# Altium PCB BMD-300-Eval.PcbDoc (part 1 of 3)
Units mm, origin at the board's own origin, x right, y up, seen from the top; angles counter-clockwise.
Board outline 87.63 x 55.88 mm, 4 copper layers (Top, Layer 2, Layer 3, Bottom), stack 1.58 mm thick; 189 components, 108 nets, 599 pads, 464 vias.
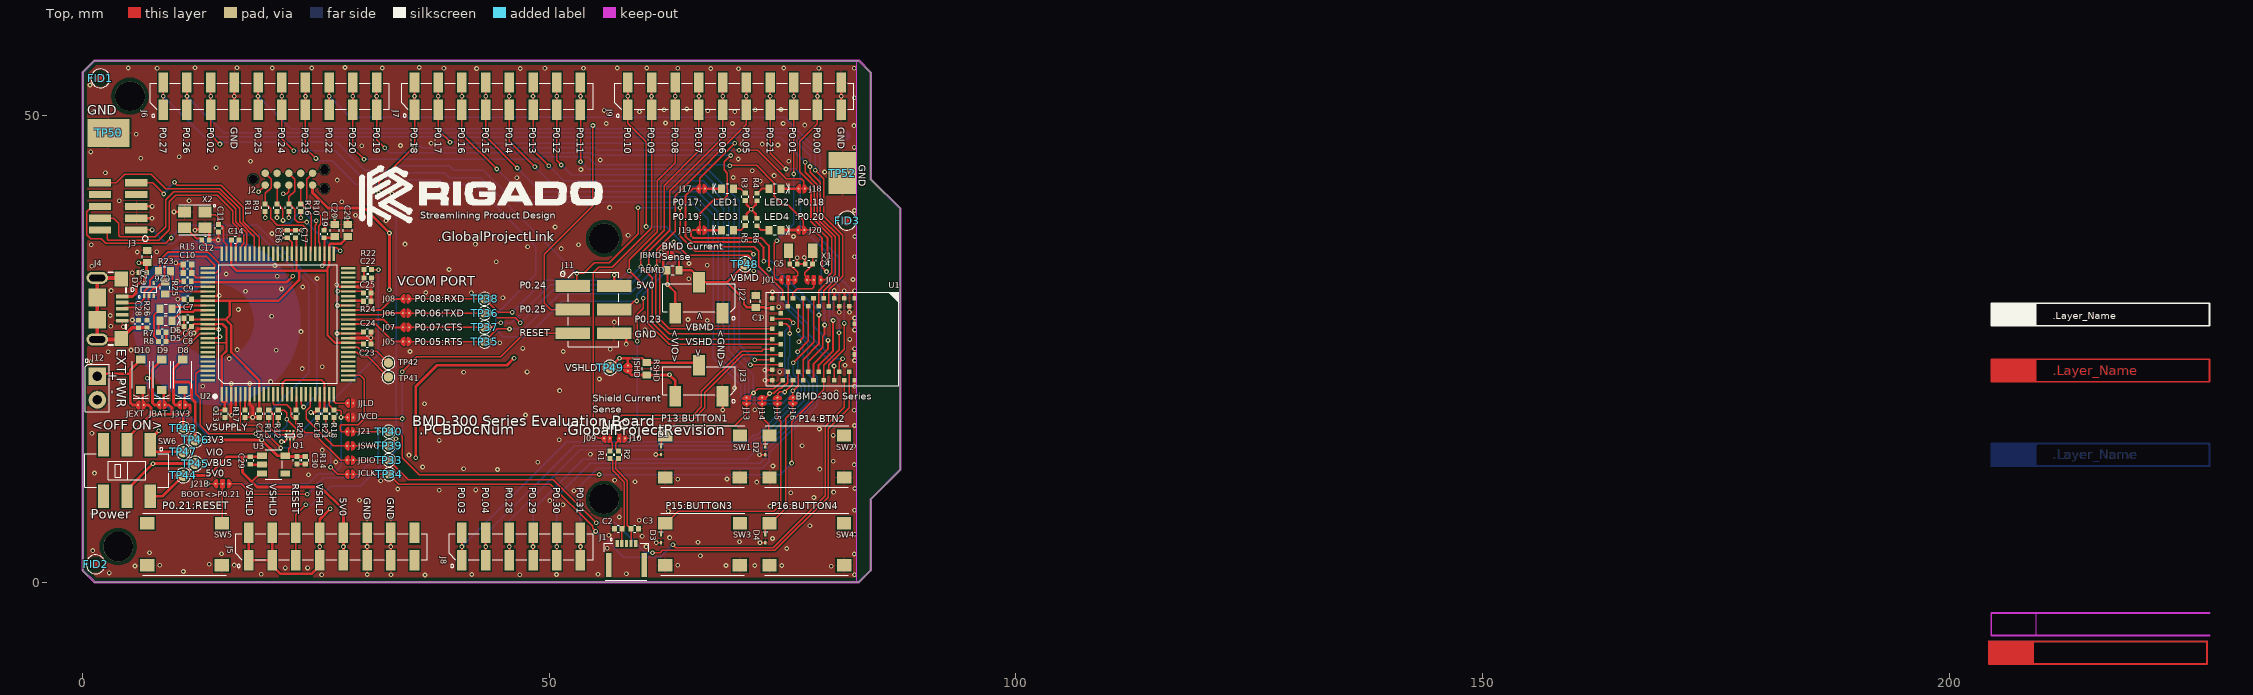
[diagram p0: Top view]
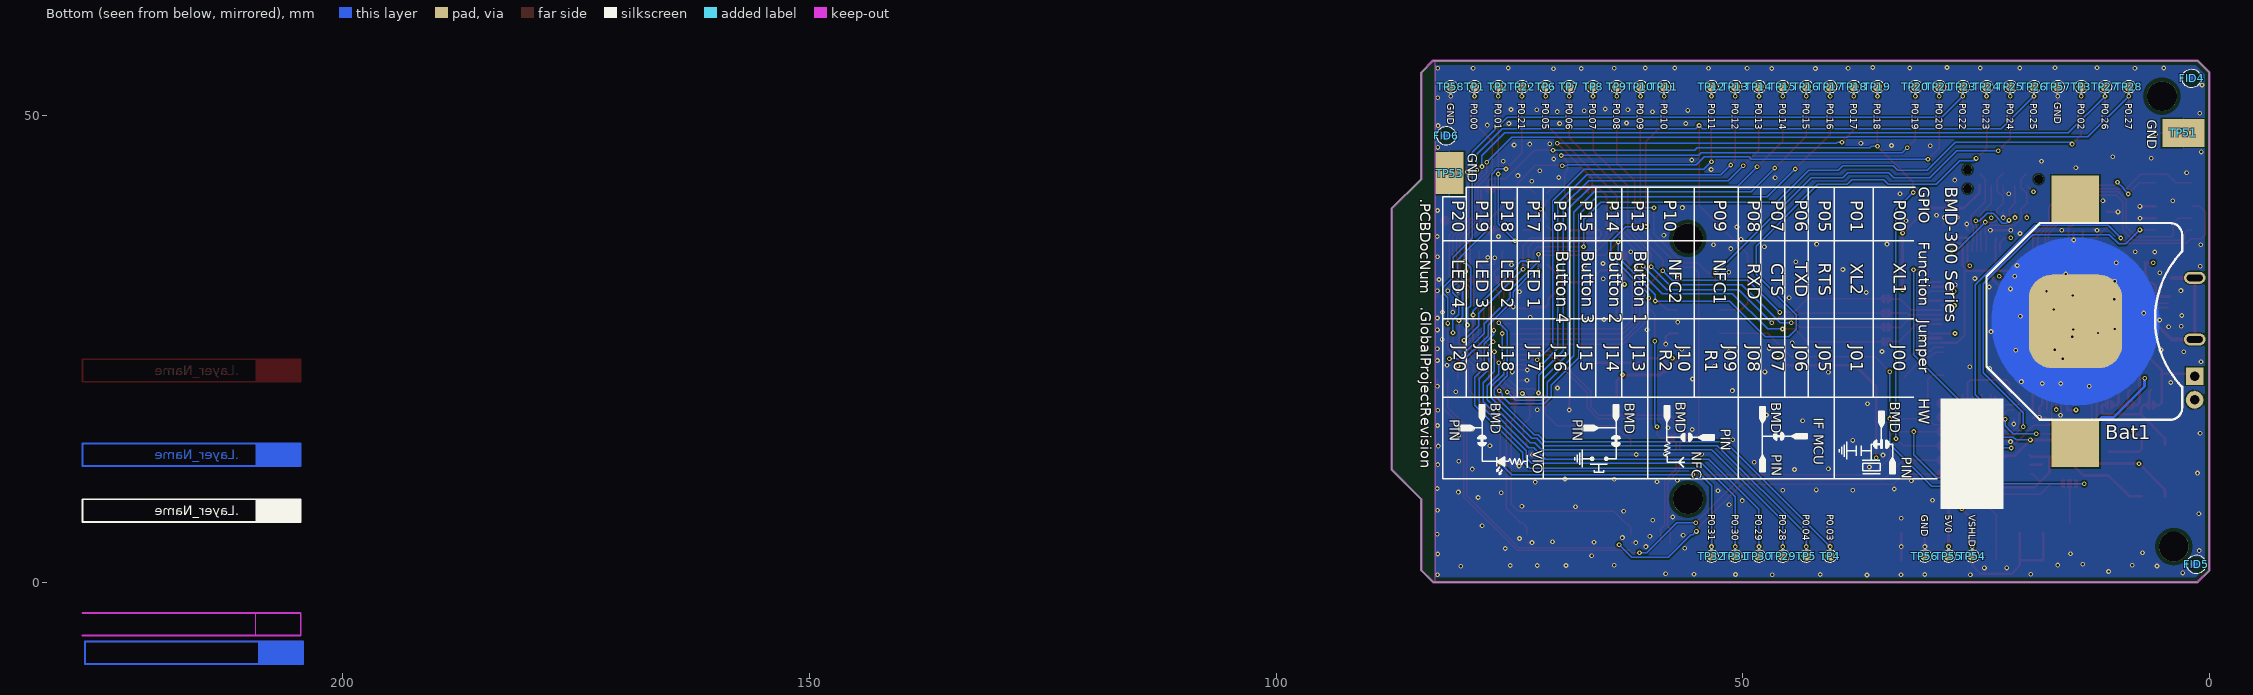
[diagram p1: Bottom view, seen from below]
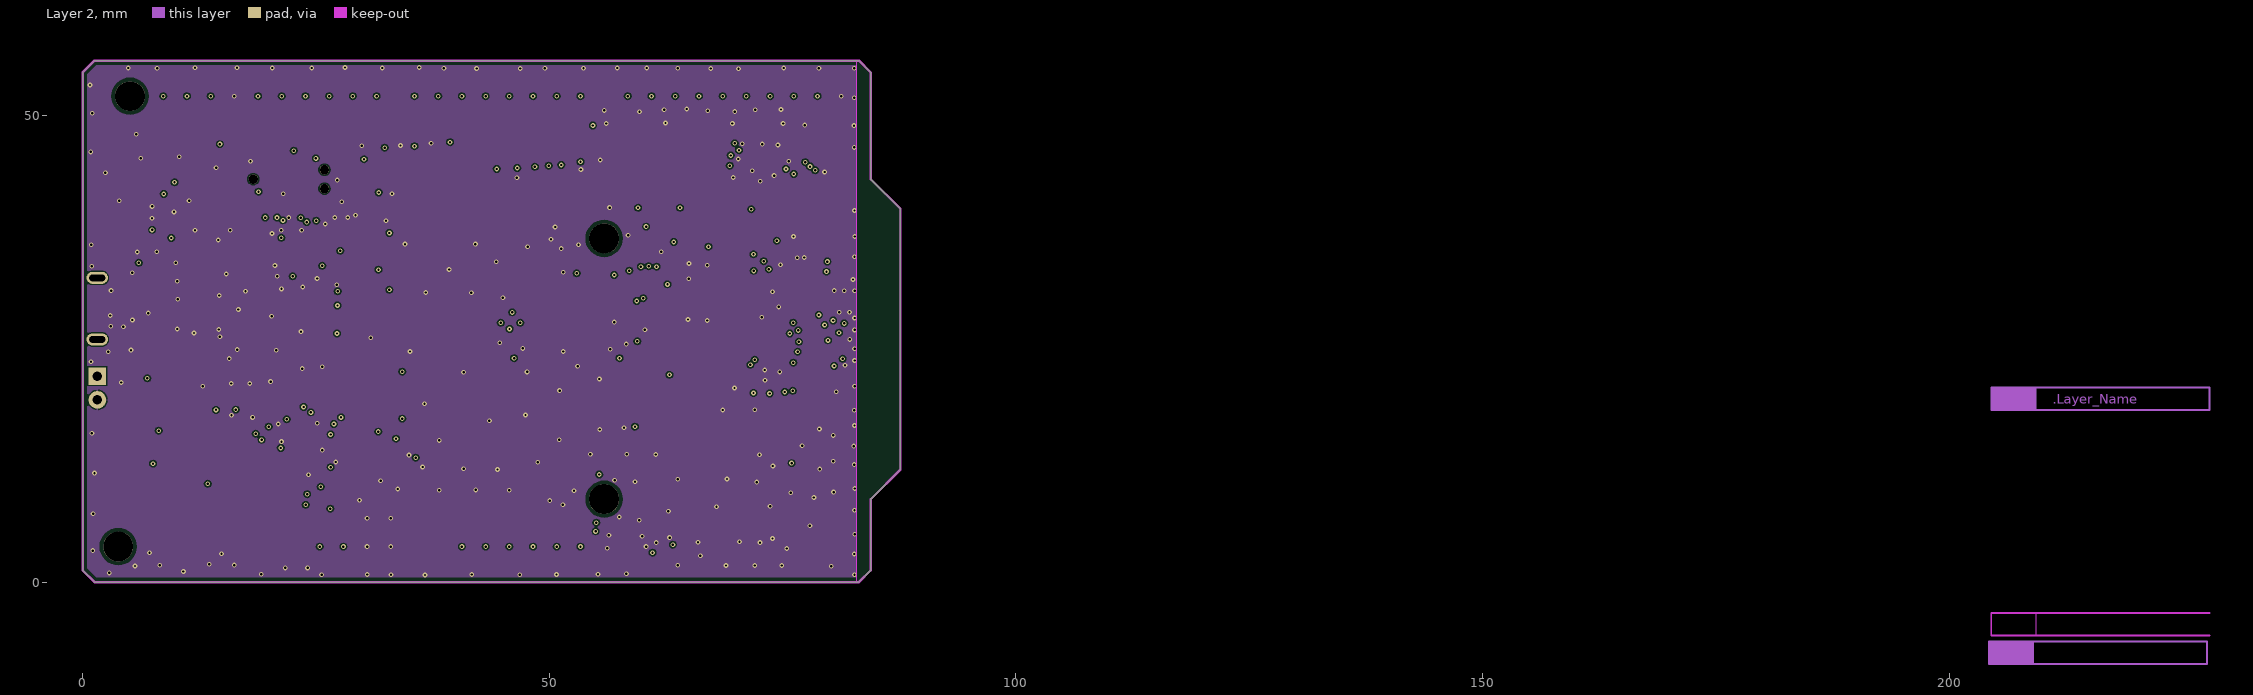
[diagram p2: Layer 2]
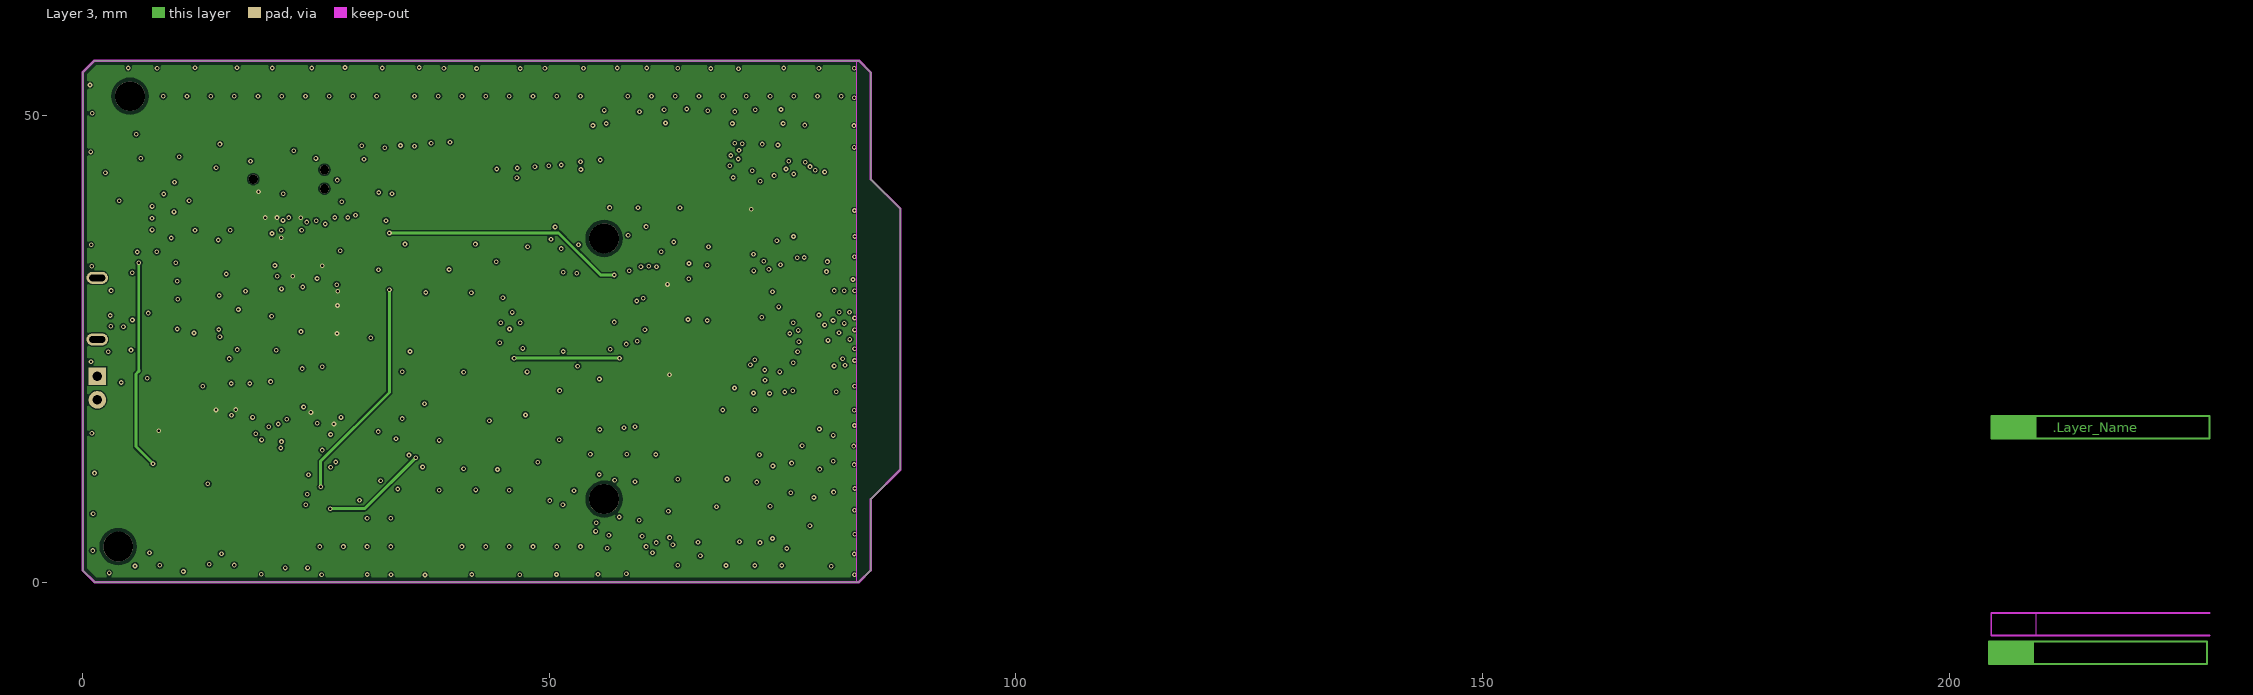
[diagram p3: Layer 3]

## Layer stack, top to bottom
Top Solder: solder mask 0.0127, Solder Resist, Dk 3.5
Top: signal copper 0.0432
Dielectric 1: prepreg 0.1143, Composite dielectric, Dk 4.2
Layer 2: signal copper 0.0356
Core: core 1.1938, Composite dielectric, Dk 4.2
Layer 3: signal copper 0.0356
Dielectric 3: prepreg 0.1143, Composite dielectric, Dk 4.2
Bottom: signal copper 0.0432
Bottom Solder: solder mask 0.0127, Solder Resist, Dk 3.5

## Board outline
84.455,43.18 87.63,40.005 87.63,12.065 84.455,8.89 84.455,1.27 83.185,0 1.27,0 0,1.27 0,54.61 1.27,55.88 83.185,55.88 84.455,54.61

## Design rules (kind name [scope] priority, off if disabled: settings)
Clearance Clearance_Poly [InPolygon vs (OnLayer('Keep-Out Layer')) OR (OnLayer('Multi-Layer') AND IsPad  AND Not(PadIsPlated))] p1: gap=0.152 except(0: Arc-Text Track-Text SMDPad-Text THPad-Text Via-Text Fill-Text Poly-Text Region-Text Text-Text; 0.381: Arc-Poly Arc-Region Track-Poly Track-Region SMDPad-Poly SMDPad-Region THPad-Poly THPad-Region Via-Poly Via-Region Fill-Poly Fill-Region Poly-Poly Poly-Region Region-Region)
Clearance [All] p2: gap=0.152 except(0: Arc-Text Track-Text SMDPad-Text THPad-Text Via-Text Fill-Text Poly-Text Region-Text Text-Text; 0.15: SMDPad-SMDPad)
ComponentClearance [All] p1: gap=0.127 collisioncheckmode=3 verticalgap=0.254 showdistances=FALSE
DiffPairsRouting [All] p1: maxlimit=0.254 minlimit=0.203 mostfreqgap=0.254 toplayer_minwidth=0.203 toplayer_maxwidth=0.203 toplayer_prefwidth=0.203 midlayer1_minwidth=0.203 midlayer1_maxwidth=0.203 midlayer1_prefwidth=0.203 midlayer14_minwidth=0.203 midlayer14_maxwidth=0.203 midlayer14_prefwidth=0.203 bottomlayer_minwidth=0.203 bottomlayer_maxwidth=0.203 bottomlayer_prefwidth=0.203 maxuncoupledlength=12.7
Height [All] p1: minheight=0 maxheight=25.4 prefheight=2.54
HoleSize [All] p1: absolutevalues=TRUE maxlimit=2540 minlimit=0.203 maxpercent=80.000 minpercent=20.000
HoleToHoleClearance [All] p1: gap=0.152 allowstackedmicrovias=TRUE
MinimumSolderMaskSliver [All] p1: minsoldermaskwidth=0.102
PlaneClearance [InPoly] p1: clearance=0.254
PlaneConnect [All] p1 off: planeconnectstyle=Relief reliefexpansion=0.508 reliefentries=4 reliefconductorwidth=0.254 reliefairgap=0.254
PolygonConnect ThermalVias [IsVia] p1: connectstyle=Direct reliefconductorwidth=0.254 reliefentries=4 polygonreliefangle="90 Angle" airgapwidth=0.254
PolygonConnect "PolygonConnect - Power" [InNetClass('')] p2: connectstyle=Relief reliefconductorwidth=0.254 reliefentries=4 polygonreliefangle="90 Angle" airgapwidth=0.152
PolygonConnect PolygonConnect-BGA [InComponentClass('')] p3: connectstyle=Relief reliefconductorwidth=0.152 reliefentries=4 polygonreliefangle="45 Angle" airgapwidth=0.152
PolygonConnect PolygonConnect-General [All] p4: connectstyle=Relief reliefconductorwidth=0.152 reliefentries=4 polygonreliefangle="90 Angle" airgapwidth=0.152
RoutingVias [All] p1: holewidth=0.254 width=0.508 viastyle="Through Hole" minholewidth=0.203 minwidth=0.457 maxholewidth=0.305 maxwidth=0.61
SMDEntry [All] p1: side=TRUE corner=TRUE anyangle=TRUE
SilkToBoardRegionClearance [All] p1 off:
SilkToSilkClearance [All] p1 off: silktosilkclearance=0.025
SilkToSolderMaskClearance [IsPad] p1 off: minsilkscreentomaskgap=0 clearancetoexposedcopper=TRUE
SolderMaskExpansion SolderMaskExpansion_via [IsVia] p1: expansion=-0.254
SolderMaskExpansion [All] p2: expansion=0.05
Width [All] p1: maxlimit=5.08 minlimit=0.152 preferedwidth=0.152 toplayer_maxwidth=2.54 midlayer1_maxwidth=2.54 midlayer14_maxwidth=2.54 minimp=50.000000 maximp=50.000000 favimp=50.000000
19 further rules are at their usual default settings.

## Classes and differential pairs
component class BMD-300-Eval_Top: C1 C2 C3 C4 C5 D1 D2 D3 D4 J00 J01 J1 J09 J10 J13 J14 J15 J16 J17 J18 J19 J20 LED1 LED2 LED3 LED4 R1 R2 R3 R4 R5 R6 SW1 SW2 SW3 SW4 TP1 TP2 TP3 TP4 TP5 TP6 TP7 TP8 TP9 TP10 TP11 TP12 TP13 TP14 TP15 TP16 TP17 TP18 TP19 TP20 TP21 TP22 TP23 TP24 TP25 TP26 TP27 TP28 TP29 TP30 TP31 TP32 TP54 TP55 TP56 TP57 TP58 U1 X1
component class SHEET2: C6 C7 C8 C9 C10 C11 C12 C13 C14 C15 C16 C17 C18 C19 C20 C21 C22 C23 C24 C25 D5 D6 J2 J3 J05 J06 J07 J08 J21 J21B JCLK JDIO JJLD JSWO JVCD Q1 R7 R8 R9 R10 R11 R12 R13 R14 R15 R16 R17 R18 R20 R21 R22 R23 R24 R25 SW5 TP33 TP34 TP35 TP36 TP37 TP38 TP39 TP40 TP41 TP42 U2 X2
component class SHEET3: Bat1 C26 C27 C28 C29 C30 D7 D8 D9 D10 FID1 FID2 FID3 FID4 FID5 FID6 J3V3 J4 J5 J6 J7 J8 J9 J11 J12 J22 J23 J303 JBAT JBMD JEXT JSHD JVBAT R26 RBMD RSHD SW6 TP43 TP44 TP45 TP46 TP47 TP48 TP49 TP50 TP51 TP52 TP53 U3
differential pair DFSD: +DFSD_P -DFSD_N
differential pair DHSD: +DHSD_P -DHSD_N

## Components (designator, comment, footprint, x,y, rotation, side; value= is the part's Value field where it differs from the comment)
Bat1 "Bat Holder CR2032" CR2032_HOLDER_SMD 14.351,27.94 r270 bottom locked
C1 "120-000324.7uF" "Cap 0603 HD" 72.115,30.09 r90 top
C2 "120-00099300pF" "Cap 0402 HD" 57.381,5.728 r0 top
C3 "120-00099300pF" "Cap 0402 HD" 59.159,5.728 r0 top
C4 "120-000486pF" "Cap 0402 HD" 77.822,34.092 r180 top
C5 "120-000486pF" "Cap 0402 HD" 76.171,34.092 r0 top
C6 "120-000160.1uF" "Cap 0402 HD" 11.262,28.283 r180 top
C7 "120-000160.1uF" "Cap 0402 HD" 11.262,30.315 r180 top
C8 "120-000160.1uF" "Cap 0402 HD" 11.262,27.394 r180 top
C9 "120-000160.1uF" "Cap 0402 HD" 11.233,32.247 r180 top
C10 "120-0006510pF" "Cap 0402" 11.233,33.136 r180 top
C11 "120-0004118pF" "Cap 0402 HD" 14.564,37.935 r270 top
C12 "120-0004118pF" "Cap 0402 HD" 13.167,36.665 r0 top
C13 "120-000160.1uF" "Cap 0402 HD" 15.24,18.034 r270 top
C14 "120-000160.1uF" "Cap 0402 HD" 16.342,36.665 r0 top
C15 "120-000160.1uF" "Cap 0402 HD" 18.923,18.034 r270 top
C16 "120-000160.1uF" "Cap 0402 HD" 21.93,37.3 r90 top
C17 "120-000160.1uF" "Cap 0402 HD" 22.819,37.3 r90 top
C18 "120-000160.1uF" "Cap 0402 HD" 25.146,18.034 r270 top
C19 "120-000160.1uF" "Cap 0402 HD" 25.867,37.3 r90 top
C20 "120-0002410uF" "Cap 0603 HD" 27.01,37.681 r90 top
C21 "120-0002410uF" "Cap 0603 HD" 28.407,37.681 r90 top
C22 "120-0008410nF" "Cap 0402 HD" 30.566,32.601 r0 top
C23 "120-000160.1uF" "Cap 0402 HD" 30.48,25.527 r0 top
C24 "120-000160.1uF" "Cap 0402 HD" 30.48,26.797 r0 top
C25 "120-000160.1uF" "Cap 0402 HD" 30.48,30.988 r0 top
C26 "120-000160.1uF" "Cap 0402 HD" 6.452,33.172 r180 top
C27 "120-0002410uF" "Cap 0603 HD" 6.909,34.874 r90 top
C28 "120-000160.1uF" "Cap 0402 HD" 6,27.662 r270 top
C29 "120-000171.0uF" "Cap 0402 HD" 17.954,13.039 r270 top
C30 "120-000171.0uF" "Cap 0402 HD" 22.962,13.056 r270 top
D1 "110-00019" SOD-923 61.976,14.097 r270 top
D2 "110-00019" SOD-923 73.152,14.058 r270 top
D3 "110-00019" SOD-923 61.976,4.66 r270 top
D4 "110-00019" SOD-923 73.152,4.66 r270 top
D5 "115-00019" "Diode 0603 HD" 8.918,28.02 r0 top
D6 "115-00020" "Diode 0603 HD" 8.918,29.29 r0 top
D7 "110-00018" SOT-553 7.112,31.369 r90 top
D8 "110-00008" SOD-123 10.716,22.223 r90 top
D9 "110-00008" SOD-123 8.491,22.223 r90 top
D10 "110-00008" SOD-123 6.241,22.228 r90 top
FID1 "FID" FIDUCIAL40 1.905,53.975 r90 top
FID2 "FID" FIDUCIAL40 1.397,1.905 r90 top
FID3 "FID" FIDUCIAL40 81.915,38.735 r90 top
FID4 "FID" FIDUCIAL40 1.905,53.975 r90 bottom
FID5 "FID" FIDUCIAL40 1.397,1.905 r90 bottom
FID6 "FID" FIDUCIAL40 81.763,47.828 r90 bottom
J00 "Solderbridge-OptionDNP" Solderbridge-Option 77.6,32.39 r0 top net-tie
J1 "130-00098" "Molex 051281-0594" 58.27,1.842 r0 top
J01 "Solderbridge-OptionDNP" Solderbridge-Option 76.35,32.39 r180 top net-tie
J2 "TC2050-IDC-NLDNP" TC2050-IDC-NL 19.558,42.545 r0 top
J3 "130-00099" HDR.050P-10Pin-2x5-SMT_Key 3.81,40.259 r90 top
J3V3 "Solderbridge-OpenDNP" Solderbridge-Open#1 11.013,18.999 r180 top
J4 "130-00008" USB_Micro_RA_W-2TABS 1.565,29.305 r270 top
J5 "130-00102" SKT-0.1P-SSM-108-L-SV 26.67,3.81 r0 top
J05 "Solderbridge-ShortDNP" Solderbridge-Short 34.309,25.781 r0 top net-tie
J6 "130-00101" SKT-0.1P-SSM-110-L-SV 20.066,52.07 r0 top
J06 "Solderbridge-ShortDNP" Solderbridge-Short 34.309,28.829 r0 top net-tie
J7 "130-00102" SKT-0.1P-SSM-108-L-SV 44.45,52.07 r0 top
J07 "Solderbridge-ShortDNP" Solderbridge-Short 34.309,27.305 r0 top net-tie
J8 "130-00103" SKT-0.1P-SSM-106-L-SV 46.99,3.81 r0 top
J08 "Solderbridge-ShortDNP" Solderbridge-Short 34.309,30.353 r0 top net-tie
J9 "130-00101" SKT-0.1P-SSM-110-L-SV 69.85,52.07 r0 top
J09 "Solderbridge-OpenDNP" Solderbridge-Open#1 56.49,15.41 r180 top
J10 "Solderbridge-OpenDNP" Solderbridge-Open#1 57.49,15.41 r0 top
J11 "130-00104" HDR-0.1P-6Pin-3x2-SMT 54.737,29.21 r270 top
J12 "130-00048DNP" HDR-0.1P-2PIN-TH 1.575,20.803 r180 top
J13 "Solderbridge-ShortDNP" Solderbridge-Short 71.149,19.104 r90 top net-tie
J14 "Solderbridge-ShortDNP" Solderbridge-Short 72.8,19.104 r90 top net-tie
J15 "Solderbridge-ShortDNP" Solderbridge-Short 74.451,19.104 r90 top net-tie
J16 "Solderbridge-ShortDNP" Solderbridge-Short 76.102,19.104 r90 top net-tie
J17 "Solderbridge-ShortDNP" Solderbridge-Short 66.675,42.164 r180 top net-tie
J18 "Solderbridge-ShortDNP" Solderbridge-Short 76.708,42.164 r0 top net-tie
J19 "Solderbridge-ShortDNP" Solderbridge-Short 66.675,37.719 r180 top net-tie
J20 "Solderbridge-ShortDNP" Solderbridge-Short 76.667,37.719 r0 top net-tie
J21 "Solderbridge-ShortDNP" Solderbridge-Short 28.321,16.129 r0 top net-tie
J21B "Solderbridge-OptionDNP" Solderbridge-Option 14.236,10.541 r0 top net-tie
J22 "130-00105" HDR-0.1P-3Pin-1Row-SMT 66.04,30.48 r180 top
J23 "130-00105" HDR-0.1P-3Pin-1Row-SMT 66.04,21.59 r180 top
JBAT "Solderbridge-OpenDNP" Solderbridge-Open#1 8.804,18.999 r180 top
JBMD "Solderbridge-OpenDNP" Solderbridge-Open#2 63.195,35.001 r180 top
JCLK "Solderbridge-ShortDNP" Solderbridge-Short 28.321,11.557 r0 top net-tie
JDIO "Solderbridge-ShortDNP" Solderbridge-Short 28.321,13.081 r0 top net-tie
JEXT "Solderbridge-OpenDNP" Solderbridge-Open#1 6.553,18.974 r180 top
JJLD "Solderbridge-OpenDNP" Solderbridge-Open#2 28.997,19.177 r180 top
JSHD "Solderbridge-OpenDNP" Solderbridge-Open#2 58.42,23.231 r270 top
JSWO "Solderbridge-ShortDNP" Solderbridge-Short 28.321,14.605 r0 top net-tie